# Allegro board visualscope011.brd (continued)
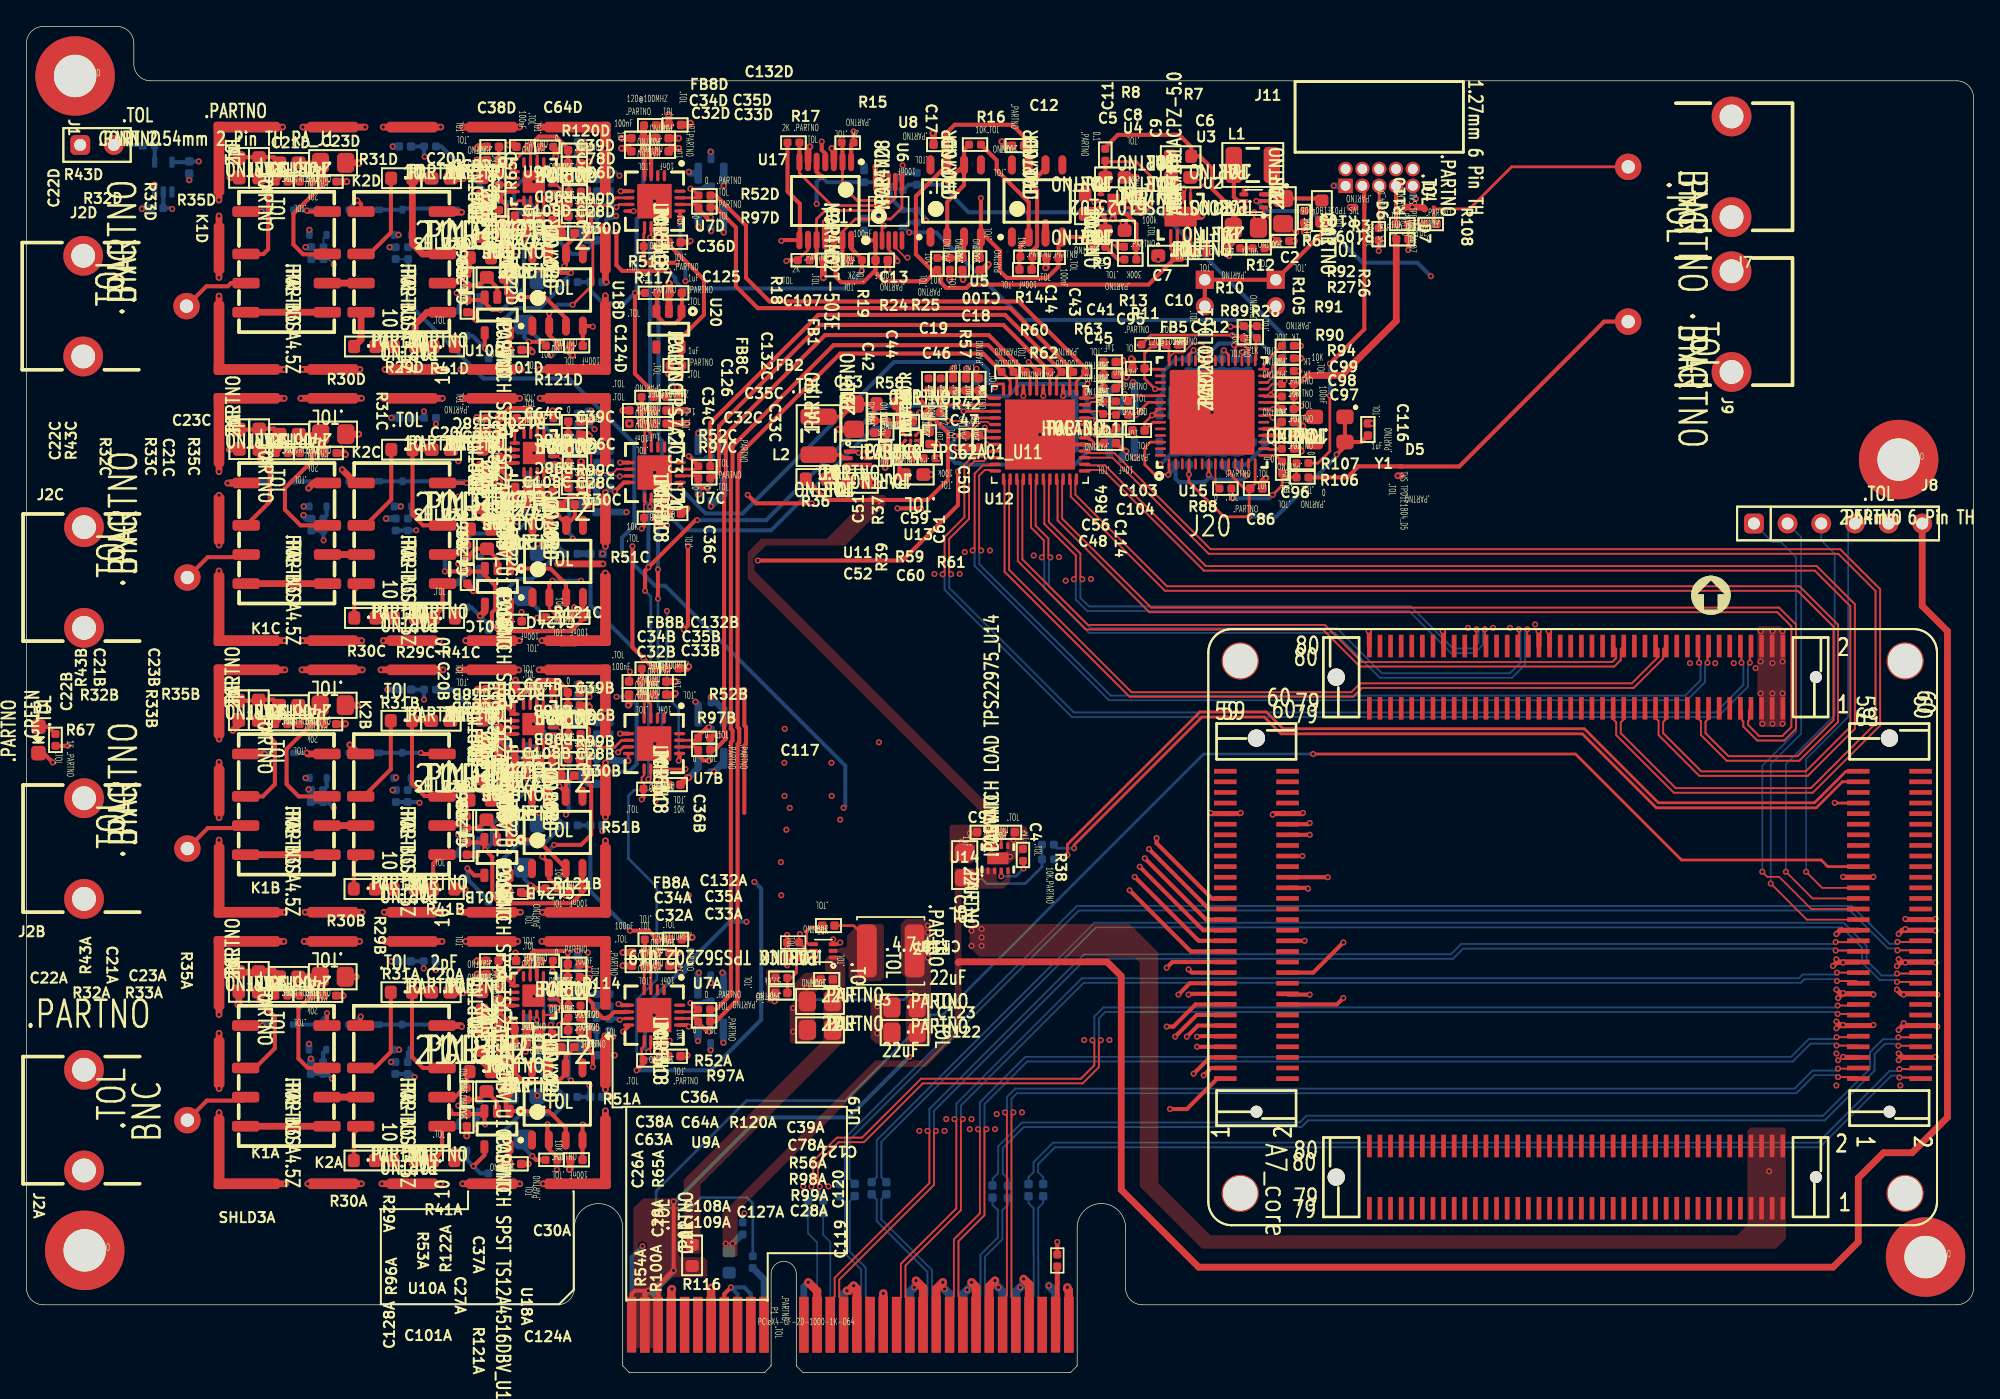
[diagram p0: board, top side]
## Routing (per net, layer and track width the routed paths; a pad name or vN(x,y) marks a point on that pad's centre or on a via; arc(x,y) is an arc through that point) (continued)
VDDH: length 51.4
  TOP w0.127: v1(89.36,77.04) 88.72,77.67 88,77.67 87.32,76.99 86.61,76.99 86.23,76.61 ; v1(94.18,70.18) 94.06,70.18 94.01,70.23 U15.17 ; v1(92.1,67.71) 91.82,67.71 91.23,68.3 U15.11
  TOP w0.203: v1(89.23,67.77) 89.23,67.77 U15.7 ; U15.32 91.23,77.45 v1(91.13,77.55) 91.91,77.55 92.23,77.23 92.23,77.22 92.23,77.21 U15.30 ; v1(89.36,77.04) 89.23,76.92 U15.36 ; U15.1 86.23,67.82 v1(86.18,67.77) 85.17,67.77 84.4,68.53 84.4,69.8 84.83,70.23 U15.54 ; C95.1 84.39,76.93 FB5.2 C112.1 86.23,77.36 U15.42 ; C95.1 84.39,75.02 v1(85.18,74.23) ; C95.1 84.46,75.73 U15.43
  PWR4 w0.305: v1(94.18,70.18) 90.13,74.23 v1(85.18,74.23)
  BOTTOM w0.305: v1(89.23,67.77) 89.23,68.51 C113.1 ; v1(89.23,67.77) 89.61,67.39 91.77,67.39 v1(92.1,67.71) 92.1,67.74 C93.1 92.02,68.53 93.46,69.97 C94.1 94.12,70.24 v1(94.18,70.18) ; v1(89.23,67.77) 89.23,67.51 88.92,67.21 87,67.21 86.73,67.47 86.73,68.31 ; v1(89.36,77.04) 89.99,77.67 91.01,77.67 v1(91.13,77.55) 91.16,77.57 91.23,77.5 C88.1 ; 86.73,68.31 C90.1 ; 86.73,68.31 v1(86.18,67.77)
+VBIAS: length 108.4
  TOP w0.305: U8.6 69.54,89.94 v1(69.54,89.86) ; U8.6 70.76,89.63 69.49,88.36 U8.2 ; U8.6 70.76,92.31 R16.1
  PWR3 w0.305: v1(44.76,90.34) 43.6,90.34 42.47,89.2 42.47,81.76 43.51,80.72 43.51,71.83 v1(42.87,71.2) 42.24,71.2 41.99,70.94 41.99,70.43 42.37,70.05 42.37,66.52 42.42,66.47 42.42,51.08 v1(42.49,51) 41.86,50.37 41.86,46.56 42.37,46.05 v1(42.37,31.7)
  PWR4 w0.305: v1(69.54,89.86) 69.29,89.61 53.42,89.61 52.69,90.34 51.22,90.34 50.88,89.99 45.1,89.99 v1(44.76,90.34)
  BOTTOM w0.127: FB6B.1 C130B.1 42.47,50.97 v1(42.49,51)
  BOTTOM w0.203: v1(44.76,90.34) 44.47,90.63 42.24,90.63 41.89,90.98 FB6D.1 ; C130A.1 42.37,31.23 v1(42.37,31.7)
  BOTTOM w0.305: FB6C.1 C130C.1 42.62,71.45 v1(42.87,71.2) ; FB6A.1 C130A.1 ; FB6D.1 C130D.1
+VFFE_FRONT END_CH1: length 39.4
  TOP w0.203: U9A.12 40.22,29.2 C78A.2 ; U9A.15 38.01,30.94 C64A.2 36.81,30.02 U9A.1
  TOP w0.305: U9A.1 35.94,30.07 C63A.1 C38A.1 ; v1(35.64,16.08) 35.97,15.75 C101A.2 36.46,15.79 U10A.5 ; v1(38.71,24.56) C37A.2 39.42,24.54 U18A.7 ; C64A.2 37.87,31.4 38.3,31.83 40.71,31.83 v1(40.85,31.69) C39A.1 C78A.2
  BOTTOM w0.203: v1(40.85,31.69) 40.85,30.58 39.06,28.79 39.06,25.77 38.71,25.42 v1(38.71,24.56)
  BOTTOM w0.305: R125A.2 35.76,15.96 v1(35.64,16.08) 35.64,17.83 37.29,19.48 39.83,19.48 40.67,20.33 FB9A.2 38.71,22.77 v1(38.71,24.56)
+VFFE_FRONT END_CH2: length 34.8
  TOP w0.203: v1(39.83,50.24) 39.71,50.13 U9B.12 40.22,49.7 C78B.2 ; U9B.15 38.01,51.43 C64B.2 36.81,50.52 U9B.1
  TOP w0.305: v1(35.66,36.25) C101B.2 36.42,37.49 U10B.5 ; C78B.2 C39B.1 40.85,51.5 40.08,52.27 38.56,52.27 37.87,51.59 C64B.2 ; v1(39.7,42.49) 39.42,42.77 U18B.7 39.44,43.51 C37B.2 39.09,45.06 39.06,45.03 v1(38.68,45.03) ; C38B.1 C63B.1 35.94,50.57 U9B.1
  PWR3 w0.305: v1(39.83,50.24) 39.19,49.61 39.19,45.54 v1(38.68,45.03)
  BOTTOM w0.305: 40.61,41.3 39.7,42.21 v1(39.7,42.49) ; 40.61,41.3 FB9B.2 ; 40.61,41.3 40.44,41.3 39.06,39.93 37.13,39.93 35.64,38.43 35.64,36.27 v1(35.66,36.25) 35.77,36.14 R125B.2
+VFFE_FRONT END_CH3: length 35.5
  TOP w0.127: C37C.2 39.48,65.59 39.88,65.99 40.03,65.99 40.23,66.18 40.23,67.11 v1(39.83,67.51)
  TOP w0.152: U9C.12 40.26,70.16 C78C.2
  TOP w0.203: U9C.12 39.75,70.61 v1(39.83,70.69) ; U9C.15 38.05,71.89 C64C.2 36.85,70.97 U9C.1
  TOP w0.305: C64C.2 37.91,72.71 v1(38,72.8) 36.44,72.8 C38C.1 C63C.1 ; C78C.2 C39C.1 ; v1(39.83,62.69) 39.46,63.05 U18C.7 39.48,63.97 C37C.2
  TOP w0.508: U10C.5 36.5,56.74 C101C.2 35.78,56.71 v1(35.76,56.72)
  BOTTOM w0.203: v1(39.83,67.51) 39.83,67.58 40.84,68.6 40.84,69.75 39.9,70.69 v1(39.83,70.69)
  BOTTOM w0.305: v1(39.83,62.69) 39.83,62.66 FB9C.2 40.08,61.8 38.18,59.89 37.03,59.89 35.76,58.62 v1(35.76,56.72) 35.78,56.7 R125C.2 ; v1(38,72.8) 38,72.51 v1(39.83,70.69)
+VFFE_FRONT END_CH4: length 33.4
  TOP w0.203: v1(39.95,91.13) 39.95,90.85 U9D.12 ; U9D.15 38.04,92.38 C64D.2 36.84,91.46 U9D.1 35.96,91.52 C63D.1
  TOP w0.305: v1(39.95,91.13) 40.74,91.13 C78D.2 C39D.1 40.88,92.37 39.95,93.29 38.67,93.29 C64D.2 ; v1(41.1,83.01) 40.36,83.01 39.45,83.92 U18D.7 39.45,85.98 C37D.2 v1(38.73,86) ; v1(36.02,79.45) 36.48,78.98 U10D.5 36.48,77.23 C101D.2 v1(35.79,77.19) ; C38D.1 C63D.1
  PWR3 w0.305: v1(38.73,86) 39.06,86.33 39.06,90.25 v1(39.95,91.13)
  BOTTOM w0.203: v1(41.1,83.01) 40.7,82.61 FB9D.2
  BOTTOM w0.305: R125D.2 35.79,76.55 v1(35.79,77.19) ; FB9D.2 38.73,80.34 36.91,80.34 v1(36.02,79.45)
+VPGA_FRONT END_CH1: length 7.8
  TOP w0.203: U7A.4 46.62,28.9 C32A.2 47.12,30.21 U7A.3
  TOP w0.305: C34A.2 46.67,31.74 FB8A.1 ; C34A.2 C35A.2 ; C34A.2 C32A.2 C33A.2
+VPGA_FRONT END_CH2: length 7.5
  TOP w0.203: 46.62,50.94 47.12,50.44 U7B.3 ; 46.62,50.94 U7B.4 ; 46.62,50.94 C32B.2
  TOP w0.305: C34B.2 C35B.2 ; C34B.2 C32B.2 C33B.2 ; C34B.2 46.44,52.2 FB8B.1
+VPGA_FRONT END_CH3: length 7.9
  TOP w0.203: U7C.4 46.66,71.39 C32C.2 46.42,71.59 47.16,70.85 U7C.3
  TOP w0.305: C34C.2 C32C.2 C33C.2 ; C34C.2 FB8C.1 ; C34C.2 C35C.2
+VPGA_FRONT END_CH4: length 7.8
  TOP w0.305: 46.65,92.1 U7D.4 ; 46.65,92.1 47.15,91.6 U7D.3 ; 46.65,92.1 C32D.2
  TOP w0.508: FB8D.1 46.57,94.1 C34D.2 ; C34D.2 C32D.2 C33D.2 ; C34D.2 C35D.2
+VUSB: length 13.2
  TOP w0.305: R3.2 97.76,85.95 J13.1 J12.1 J12.2
-VBIAS: length 129.9
  TOP w0.305: U5.6 76.91,90.88 v1(75.77,89.74) 76.28,89.23 76.28,85.04 75.91,84.68 R14.2 75.91,83.3 C100.1
  PWR3 w0.305: v1(40.21,87.58) 39.95,87.32 39.95,83.39 40.59,82.75 40.59,76.66 40.97,76.28 40.97,67.16 40.54,66.73 40.31,66.73 39.95,66.37 39.95,66.14 39.41,65.6 39.41,64.17 40.18,63.4 40.77,63.4 v1(41.22,62.94) 41.35,62.81 41.35,61.39 40.7,60.74 40.7,56.09 41.1,55.7 41.1,42.49 v1(40.72,42.11) 40.72,38.43 40.21,37.92 40.21,30.94 41.22,29.92 41.22,22.17 v1(41.1,22.05)
  PWR4 w0.305: v1(40.21,87.58) 41.1,88.47 46.05,88.47 46.81,87.71 73.74,87.71 v1(75.77,89.74)
  BOTTOM w0.305: FB4B.2 40.93,46.09 40.97,46.05 40.97,45.29 40.93,45.25 C129B.1 40.93,42.33 v1(40.72,42.11) ; FB4C.2 40.97,66.53 41.17,66.32 41.17,65.66 C129C.1 40.97,63.32 41.22,63.07 v1(41.22,62.94) ; v1(41.1,22.05) 40.92,22.23 C129A.1 40.92,25.89 FB4A.2 ; v1(40.21,87.58) 40.39,87.4 FB4D.2 40.94,87.1 40.97,87.07 40.97,86.01 C129D.1
-VFFE_FRONT END_CH1: length 44.4
  TOP w0.127: 39.95,28.2 40.26,28.2 v1(40.33,28.27)
  TOP w0.152: U9A.8 39.75,27 40.32,27.56 40.32,27.83 39.95,28.2 U9A.10
  TOP w0.203: U9A.5 37.51,26.13 C108A.2 38.01,26.14 U9A.6 ; U9A.8 39.01,25.81 C127A.2
  TOP w0.305: C124A.1 U18A.4 41.96,18.7 v1(41.99,18.72) ; v1(34.62,18.72) 34.56,18.78 U10A.3 34.34,19.51 C128A.2 32.2,19.51 v1(31.95,19.76) ; v1(37.67,24.21) 37.76,24.3 C109A.1 C108A.2 38.43,25.88 C127A.2
  PWR3 w0.305: v1(37.67,24.21) 37.67,21.77 v1(34.62,18.72)
  PWR4 w0.305: v1(40.33,28.27) 39.32,29.29 31.96,29.29 v1(30.88,30.37) ; v1(41.99,18.72) 41.25,17.98 35.36,17.98 v1(34.62,18.72)
  BOTTOM w0.305: R55A.2 37.72,24.88 C102A.2 37.73,24.27 v1(37.67,24.21) ; C110A.1 v1(40.33,28.27) ; v1(30.88,30.37) FB10A.2
-VFFE_FRONT END_CH2: length 43.6
  TOP w0.127: U10B.3 34.62,40.16 v1(34.62,39.45) ; v1(40.31,48.7) 39.95,48.7
  TOP w0.152: U9B.8 39.75,47.5 40.32,48.06 40.32,48.69 v1(40.31,48.7) ; 39.95,48.7 U9B.10
  TOP w0.203: U9B.5 37.51,46.63 C108B.2 38.01,46.64 U9B.6 ; U9B.8 39.01,46.31 C127B.2
  TOP w0.305: C127B.2 38.43,46.38 C108B.2 C109B.1 v1(37.76,44.82) ; C128B.2 34.34,40.01 U10B.3 34.56,39.51 v1(34.62,39.45) 35.15,38.91 35.15,35.99 35.72,35.42 41.14,35.42 41.96,36.25 C124B.1 U18B.4
  BOTTOM w0.305: C110B.1 39.81,48.7 v1(40.31,48.7) ; FB10B.2 32.17,51.55 36.4,47.32 36.4,46.63 36.65,46.37 R55B.2 37.75,46.37 C102B.2 37.76,45.35 v1(37.76,44.82) 37.76,43.98 35.13,41.35 35.13,39.95 v1(34.62,39.45)
-VFFE_FRONT END_CH3: length 50
  TOP w0.203: C108C.2 37.55,67.08 U9C.5 ; C108C.2 38.05,67.1 U9C.6 ; C108C.2 38.01,66.62 38.68,66.62 C127C.2 39.05,66.77 U9C.8 39.12,68.02 40.21,68.02 40.42,68.24 40.42,69.08 v1(40.33,69.16) ; C109C.1 37.8,65.61 37.76,65.57 v1(37.76,65.28)
  TOP w0.254: v1(40.33,69.16) 40.33,69.16 U9C.10
  TOP w0.305: C108C.2 C109C.1 ; v1(31.57,60.47) C128C.2 34.38,60.47 U10C.3 34.6,60.17 35.38,59.38 35.38,57.61 35.13,57.35 35.13,56.46 35.64,55.96 41.09,55.96 42,56.87 C124C.1 U18C.4
  PWR3 w0.305: v1(31.57,60.47) 30.9,61.13 v1(30.9,71.61)
  BOTTOM w0.127: v1(40.33,69.16) 39.95,69.16 39.84,69.28 C110C.1
  BOTTOM w0.203: FB10C.2 v1(30.9,71.61)
  BOTTOM w0.305: v1(31.57,60.47) 31.57,61.26 33.63,63.32 36.86,63.32 37.72,64.18 37.72,65.24 v1(37.76,65.28) C102C.2 37.74,65.88 R55C.2
-VFFE_FRONT END_CH4: length 44
  TOP w0.203: 37.79,87.96 37.54,88.21 U9D.5 37.13,88.44 v1(36.78,88.09) ; 37.79,87.96 37.79,87.33 C108D.2 ; 37.79,87.96 38.04,88.21 U9D.6 ; C127D.2 39.04,87.25 U9D.8 39.19,88.59 39.97,88.59 40.37,88.99 40.37,89.29 40.02,89.64 U9D.10
  TOP w0.305: C127D.2 38.45,87.32 C108D.2 C109D.1 37.79,85.92 37.54,85.67 v1(37.54,85.55) ; v1(42.75,78.94) 42.7,78.99 U18D.4 C124D.1 ; C128D.2 34.37,80.95 U10D.3 34.58,80.76 35.13,80.21 v1(35.76,80.21)
  PWR4 w0.305: v1(35.76,80.21) 37.77,80.21 39.04,78.94 v1(42.75,78.94)
  BOTTOM w0.305: v1(36.78,88.09) 36.52,88.34 35.51,88.34 31.31,92.54 FB10D.2 ; v1(36.78,88.09) 37.5,87.37 R55D.2 ; v1(36.78,88.09) 36.78,89.36 37.92,90.5 39.02,90.5 C110D.1 ; C102D.2 37.76,85.89 37.54,85.67 v1(37.54,85.55) 37.54,81.86 35.89,80.21 v1(35.76,80.21)
AC0: length 1.6
  TOP w0.203: R94.2 94.25,73.23 U15.23
AC1: length 1.4
  TOP w0.203: U15.22 94.07,72.73 v1(94.08,72.72)
  BOTTOM w0.305: R93.2 94.12,72.68 v1(94.08,72.72)
AC2: length 2.3
  TOP w0.203: R92.2 93.38,76.13 U15.28
ACQ_EN: length 27.7
  TOP w0.203: v1(75.26,38.05) 75.26,38.56 R38.2 ; U14.3 v1(73.57,37.46) ; J20.J1_44 v1(96.3,38.98)
  PWR3 w0.203: v1(75.26,38.05) 77.93,35.38 84.15,35.38 87.75,38.98 v1(96.3,38.98)
  BOTTOM w0.203: v1(75.26,38.05) 74.67,37.46 v1(73.57,37.46)
ADC_CLK_C_N: length 2.5
  TOP w0.152: C104.1 82.16,72.36 R64.1 81.06,72.55 U12.34
ADC_CLK_C_P: length 2.5
  TOP w0.152: U12.35 80.16,73.05 80.36,73.26 R64.2 81.3,73.3 C103.1
ADC_CLK_N: length 4.7
  TOP w0.203: 83.72,72.29 84.66,73.23 U15.48 ; 83.72,72.29 C104.2 ; 83.72,72.29 v1(83.77,72.29)
  BOTTOM w0.305: J5.1 82.68,71.2 v1(83.77,72.29)
ADC_CLK_P: length 4.7
  TOP w0.203: v1(82.88,73.86) 83.13,73.62 C103.2 83.55,73.73 U15.47
  BOTTOM w0.305: v1(82.88,73.86) 82.68,73.66 J6.1
ADC_PD: length 1.7
  TOP w0.203: v1(72.34,71.32) 72.61,71.05 U12.6
  BOTTOM w0.305: v1(72.34,71.32) 71.91,70.89 R46.1
ADC_RSTN: length 4.9
  TOP w0.127: U12.5 73.09,71.58 72.72,71.58 72.54,71.76 72.01,71.76 71.58,71.32 71.07,71.32 70.56,71.83 v1(69.54,71.83)
  BOTTOM w0.305: v1(69.54,71.83) 69.13,72.25 R44.1
ATTEN_1: length 72
  TOP w0.305: v1(86.31,19.89) 87.58,19.89 89.88,22.18 J20.J1_1
  PWR4 w0.305: v1(86.31,19.89) 85.8,20.4 67,20.4 65.86,19.25 25.98,19.25 v1(23.06,22.17)
  BOTTOM w0.305: v1(23.06,22.17) 22.7,22.54 R47A.2 R49A.2
ATTEN_2: length 77.2
  TOP w0.305: J20.J1_11 88.41,26.18 v1(87.58,25.35)
  PWR4 w0.305: v1(87.58,25.35) 86.94,24.71 84.66,24.71 75.01,34.37 56.46,34.37 53.42,37.41 28.4,37.41 v1(23.19,42.62)
  BOTTOM w0.305: R49B.2 R47B.2 22.75,43.06 v1(23.19,42.62)
ATTEN_3: length 85.6
  TOP w0.305: J20.J1_19 87.8,29.38 v1(86.94,28.52)
  PWR4 w0.305: v1(22.43,62.81) 22.43,61.29 33.53,50.19 33.53,49.35 36.9,45.98 39,45.98 40.07,44.91 41.73,44.91 46.68,39.95 58.5,39.95 62.05,36.4 76.53,36.4 84.4,28.52 v1(86.94,28.52)
  BOTTOM w0.305: v1(22.43,62.81) 22.4,62.84 R47C.2 R49C.2
ATTEN_4: length 96
  TOP w0.305: J20.J1_33 89.25,34.98 v1(84.72,39.51)
  PWR3 w0.305: v1(32.59,66.12) v1(32.59,68.78)
  PWR4 w0.305: v1(23.19,83.64) 23.19,82.5 32.59,73.1 v1(32.59,68.78) ; v1(32.59,66.12) 39.76,58.94 42.89,58.94 49.59,52.24 49.59,49.03 53.42,45.21 79.02,45.21 v1(84.72,39.51)
  BOTTOM w0.127: R49D.2 R47D.2 22.79,84.04 v1(23.19,83.64)
ATTEN_OUT_FRONT END_CH1: length 3.5
  TOP w0.305: R53A.1 33.24,22.5 R96A.2 33.05,21.49 32.35,20.79 K2A.6
ATTEN_OUT_FRONT END_CH2: length 3.5
  TOP w0.305: R53B.1 33.24,43 R96B.2 33.23,41.99 32.52,41.29 K2B.6
ATTEN_OUT_FRONT END_CH3: length 3.5
  TOP w0.305: R53C.1 33.27,63.46 R96C.2 33.27,62.45 32.69,61.88 32.69,61.87 32.57,61.75 K2C.6
ATTEN_OUT_FRONT END_CH4: length 3.5
  TOP w0.305: K2D.6 32.55,82.23 32.93,82.62 32.94,82.62 R96D.2 33.46,83.14 R53D.1
CH1_N: length 69.2
  TOP w0.203: U12.47 74.24,74.88 R57.2
  TOP w0.305: R97A.2 52.03,26.5 53.67,28.14 53.67,47.45 53.8,47.57 53.8,48.59 53.67,48.72 53.67,67.51 53.8,67.64 53.8,69.29 61.42,76.91 72.21,76.91 R57.2
CH1_P: length 70.3
  TOP w0.203: U12.46 74.74,75.28 R57.1
  TOP w0.305: R52A.2 52.04,27.41 53.16,28.52 53.16,47.57 53.29,47.7 53.29,48.46 53.16,48.59 53.16,67.64 53.29,67.77 53.29,69.93 60.91,77.55 72.59,77.55 74.49,75.65 R57.1
CH2_N: length 53
  TOP w0.203: R60.2 75.41,75.47 75.74,75.13 U12.44
  TOP w0.305: R97B.2 51.96,47 52.78,47.83 52.78,48.34 52.65,48.46 52.65,67.77 52.78,67.89 52.78,70.81 60.27,78.31 72.63,78.31 R60.2
CH2_P: length 48
  TOP w0.203: R60.1 76.24,75.46 U12.43
  TOP w0.305: v1(70.31,68.02) 70.31,65.48 66.12,61.29 v1(55.19,61.29) ; v1(75.64,76.28) 76.31,75.61 R60.1 ; R52B.2 51.77,48.08 v1(52.27,48.08)
  PWR3 w0.203: v1(75.64,76.28) 75.64,76.15 73.35,73.86 72.72,73.86 70.69,71.83 70.69,70.26 70.92,70.03 70.92,69.62 70.81,69.52 70.81,68.99 70.31,68.48 v1(70.31,68.02)
  PWR4 w0.305: v1(55.19,61.29) 52.27,58.37 v1(52.27,48.08)
CH3_N: length 35.3
  TOP w0.203: U12.41 77.24,75.51 R62.2
  TOP w0.305: R97C.2 51.75,67.5 52.27,68.02 52.27,71.45 59.89,79.07 73.74,79.07 77.22,75.58 R62.2
CH3_P: length 36.5
  TOP w0.203: R62.1 77.74,75.15 U12.40
  TOP w0.305: R62.1 78.12,75.57 73.86,79.83 59.77,79.83 51.61,71.67 R52C.2
CH4_N: length 36.6
  TOP w0.203: R63.2 78.74,75.27 U12.38
  TOP w0.305: R97D.2 52.03,87.95 53.54,86.44 53.54,81.99 55.19,80.34 74.24,80.34 79,75.58 R63.2
CH4_P: length 37.9
  TOP w0.203: U12.37 79.24,74.8 79.9,75.46 R63.1
  TOP w0.305: R63.1 79.9,75.83 74.88,80.85 56.08,80.85 54.3,82.63 54.3,86.56 52.02,88.85 R52D.2
D1A_N: length 79.9
  TOP w0.142: U12.10 73.07,69.1 72.56,69.1 72.25,68.79 71.54,68.79 71.13,68.39 71.13,64.42 69.64,62.92 69.64,60.4 v1(69.78,60.25) ; v1(129.44,53.58) 129.44,53.98 129.35,54.06 J20.J4_10
  BOTTOM w0.142: v1(69.78,60.25) 69.64,60.11 69.64,59.23 79.04,49.82 127.5,49.82 129.58,51.91 129.58,53.43 v1(129.44,53.58)
D1A_P: length 81.7
  TOP w0.142: U12.9 73.03,69.47 72.44,69.47 72.11,69.14 71.4,69.14 70.79,68.53 70.79,64.57 69.29,63.07 69.29,60.4 v1(69.15,60.25) ; v1(130.07,53.58) 130.07,54 130.15,54.08 J20.J4_8
  BOTTOM w0.142: v1(130.07,53.58) 129.93,53.43 129.93,51.76 127.64,49.48 78.9,49.48 69.29,59.09 69.29,60.11 v1(69.15,60.25)
D1B_N: length 69.9
  TOP w0.142: U12.12 73.04,68.13 72.33,68.13 71.9,67.7 71.9,62.2 v1(72.05,62.05) ; J20.J4_18 126.15,54.08 126.24,54 v1(126.24,53.58)
  BOTTOM w0.142: v1(126.24,53.58) 126.35,53.46 126.35,52.26 125.18,51.09 81.84,51.09 71.9,61.03 71.9,61.91 v1(72.05,62.05)
D1B_P: length 71.7
  TOP w0.142: J20.J4_16 126.95,54.06 126.87,53.97 v1(126.87,53.58) ; U12.11 73.04,68.47 72.19,68.47 71.56,67.85 71.56,62.2 v1(71.41,62.05)
  BOTTOM w0.142: v1(126.87,53.58) 126.69,53.4 126.69,52.12 125.32,50.75 81.7,50.75 71.56,60.89 71.56,61.91 v1(71.41,62.05)
D2A_N: length 61.7
  TOP w0.142: J20.J4_26 123.18,54.61 123.18,54.04 121.16,52.02 100.66,52.02 99.99,51.35 83.4,51.35 74.16,60.59 74.16,67.35 U12.14
D2A_P: length 62.9
  TOP w0.142: J20.J4_24 123.53,54.61 123.53,53.89 121.31,51.67 100.8,51.67 100.13,51 83.26,51 73.82,60.44 73.82,67.35 U12.13
D2B_N: length 55.2
  TOP w0.142: U12.16 75.16,67.35 75.16,61.39 80.12,56.43 97.99,56.43 100.79,53.63 119.69,53.63 119.98,53.92 119.98,54.61 J20.J4_34
D2B_P: length 56.4
  TOP w0.142: J20.J4_32 120.33,54.61 120.33,53.78 119.83,53.29 100.64,53.29 97.85,56.08 79.98,56.08 74.82,61.24 74.82,67.35 U12.15
D3A_N: length 75.8
  TOP w0.142: U12.22 78.16,67.35 78.16,64.46 84.89,57.73 132.28,57.73 133.55,56.46 133.55,48.59 132.66,47.7 130.63,47.7 129.58,48.75 129.58,49.13 129.49,49.22 129.49,50 J20.J4_9
D3A_P: length 74.7
  TOP w0.142: J20.J4_7 130,49.98 130,49.22 129.93,49.15 129.93,48.89 130.77,48.05 132.52,48.05 133.21,48.73 133.21,56.32 132.14,57.39 84.75,57.39 77.82,64.32 77.82,67.35 U12.21
D3B_N: length 84.7
  TOP w0.142: J20.J4_17 126.15,49.38 126.38,49.16 126.38,48.11 128.32,46.18 133.81,46.18 136.73,49.1 136.73,56.44 133.82,59.35 86.07,59.35 79.16,66.26 79.16,67.35 U12.24
D3B_P: length 83.5
  TOP w0.142: J20.J4_15 126.95,49.36 126.73,49.13 126.73,48.26 128.46,46.52 133.66,46.52 136.38,49.24 136.38,56.3 133.68,59 85.93,59 78.82,66.11 78.82,67.35 U12.23
D4A_N: length 91.6
  TOP w0.142: U12.26 79.94,68.47 81.4,68.47 89.01,60.87 135.11,60.87 138,57.99 138,48.59 134.44,45.03 126.26,45.03 123.18,48.11 123.18,49.18 122.95,49.41 J20.J4_25
D4A_P: length 89.9
  TOP w0.142: J20.J4_23 123.75,49.33 123.53,49.1 123.53,48.26 126.4,45.38 134.3,45.38 137.65,48.73 137.65,57.84 134.97,60.53 88.86,60.53 81.26,68.13 79.94,68.13 U12.25
D4B_N: length 100.6
  TOP w0.142: U12.28 80.02,69.4 82.12,69.4 89.37,62.14 136.89,62.14 139.9,59.13 139.9,48.84 134.82,43.76 124.33,43.76 119.98,48.11 119.98,49.08 119.75,49.31 J20.J4_33
D4B_P: length 98.8
  TOP w0.142: J20.J4_31 120.55,49.31 120.33,49.08 120.33,48.26 124.47,44.11 134.68,44.11 139.56,48.99 139.56,58.99 136.75,61.8 89.23,61.8 81.98,69.05 U12.27
DC_CPL_1: length 61.2
  TOP w0.305: v1(88.85,22.43) 89.41,22.98 J20.J1_3
  PWR4 w0.305: v1(32.59,20.14) 32.72,20.27 44.01,20.27 44.47,19.81 65.02,19.81 66.12,20.9 87.32,20.9 v1(88.85,22.43)
  BOTTOM w0.305: R127A.2 R126A.2 33.03,20.58 v1(32.59,20.14)
DC_CPL_2: length 66.4
  TOP w0.305: v1(86.05,26.11) 86.56,26.11 88.24,27.78 J20.J1_15
  PWR4 w0.305: v1(86.05,26.11) 85.04,26.11 75.77,35.38 59.38,35.38 56.74,38.02 37.19,38.02 34.62,40.59 v1(32.59,40.59)
  BOTTOM w0.305: v1(32.59,40.59) 33.06,41.06 R126B.2 R127B.2
DC_CPL_3: length 75.7
  TOP w0.305: v1(86.05,30.56) 86.48,30.98 J20.J1_23
  PWR4 w0.305: v1(32.59,61.04) 32.59,60.91 33.12,60.38 33.12,56.34 35.64,53.82 35.64,52.6 38.94,49.3 41.3,49.3 46.38,44.22 47.12,44.22 49.72,41.62 59.75,41.62 61.8,39.57 77.04,39.57 v1(86.05,30.56)
  BOTTOM w0.305: v1(32.59,61.04) 33.13,61.57 R126C.2 R127C.2
DC_CPL_4: length 80
  TOP w0.305: v1(85.29,40.33) 85.29,39.95 89.48,35.76 90.46,35.76 J20.J1_35
  PWR4 w0.305: v1(32.46,81.48) 41.86,81.48 44.4,78.94 48.08,78.94 78.82,48.21 78.82,48.08 85.29,41.6 v1(85.29,40.33)
  BOTTOM w0.305: v1(32.46,81.48) 33.06,82.09 R126D.2 R127D.2
DC_CPLN_FRONT END_CH1: length 4.5
  TOP w0.305: v1(33.73,15.57) 34.56,16.4 U10A.4
  BOTTOM w0.305: R125A.1 34.26,15.04 v1(33.73,15.57) 33.26,16.04 Q5A.1
DC_CPLN_FRONT END_CH2: length 4.7
  TOP w0.305: U10B.4 33.8,37.52 v1(33.27,38.05)
  BOTTOM w0.305: R125B.1 34.87,35.66 Q5B.1 v1(33.27,38.05)
DC_CPLN_FRONT END_CH3: length 3.6
  TOP w0.508: v1(34.24,57.1) 34.6,57.46 U10C.4
  BOTTOM w0.305: Q5C.1 33.59,57.75 v1(34.24,57.1) 34.88,56.46 R125C.1
DC_CPLN_FRONT END_CH4: length 3.8
  TOP w0.305: v1(34.62,77.29) 34.58,77.33 U10D.4
  BOTTOM w0.305: Q5D.1 33.66,78.25 v1(34.62,77.29) 34.88,77.03 R125D.1
EN1: length 69.6
  TOP w0.203: v1(78.56,39.06) 78.56,39.86 88.56,49.86 93.58,49.86 94.85,48.59 117.58,48.59 123.17,43 134.95,43 137.33,45.38 J20.J3_59
  BOTTOM w0.203: v1(78.56,39.06) 78.23,38.73 R102.1
FCLK_N: length 44.3
  TOP w0.142: U12.20 77.16,67.35 77.16,64.19 79.54,61.81 79.54,60.02 v1(79.69,59.88) ; J20.J4_60 109.35,55.51 109.44,55.59 v1(109.44,56.1)
  BOTTOM w0.142: v1(109.44,56.1) 109.59,55.95 109.59,55.08 109.16,54.65 107.66,54.65 104.49,57.83 80.19,57.83 79.54,58.47 79.54,59.73 v1(79.69,59.88)
FCLK_P: length 45.4
  TOP w0.142: U12.19 76.82,67.35 76.82,64.05 79.2,61.67 79.2,60.02 v1(79.05,59.88) ; v1(110.07,56.1) 110.07,55.56 110.15,55.48 J20.J4_58
  BOTTOM w0.142: v1(79.05,59.88) 79.2,59.73 79.2,58.33 80.05,57.48 104.34,57.48 107.52,54.3 109.3,54.3 109.93,54.93 109.93,55.96 v1(110.07,56.1)
FE_EN: length 140.2
  TOP w0.203: v1(58.37,33.1) 58.31,33.04 R115.1 58.95,31.83 U19.5
  TOP w0.305: J20.J1_9 88.38,25.38 v1(88.34,25.35) ; R6.1 v1(96.94,87.67) ; U2.2 v1(92.82,88.43)
  PWR3 w0.305: v1(105.99,82.75) 105.99,28.4 102.82,25.22 88.47,25.22 v1(88.34,25.35)
  PWR4 w0.203: v1(88.34,25.35) 86.05,23.06 57.48,23.06 55.32,25.22 55.32,32.59 56.46,33.73 57.86,33.73 58.37,33.22 v1(58.37,33.1)
  BOTTOM w0.305: v1(105.99,82.75) 104.98,83.77 100.85,83.77 v1(96.94,87.67) 93.58,87.67 v1(92.82,88.43)
IF0: length 2.1
  TOP w0.152: R27.2 94.71,76.56 94.01,75.86 94.01,75.6 93.64,75.23 U15.27
IF1: length 1.7
  TOP w0.152: U15.26 93.64,74.73 94.5,75.59 R26.2
INTREF: length 1.8
  TOP w0.305: C98.2 96.72,70.73 Y1.3
JTAGEN: length 59.3
  TOP w0.305: J20.J1_22 97.11,30.18 v1(99.39,32.46) ; R103.2 v1(102.06,84.66)
  PWR3 w0.305: v1(102.06,84.66) 102.06,35.13 v1(99.39,32.46)
LCLK_N: length 51.1
  TOP w0.142: v1(77.27,61.53) 77.13,61.67 77.13,62.96 76.16,63.92 76.16,67.35 U12.18 ; J20.J4_52 112.55,55.53 112.64,55.61 v1(112.64,56.1)
  BOTTOM w0.142: v1(112.64,56.1) 112.76,55.97 112.76,53.58 111.96,52.78 102.29,52.78 98.9,56.17 80.32,56.17 77.16,59.33 77.16,61.42 v1(77.27,61.53)
LCLK_P: length 52.3
  TOP w0.142: J20.J4_50 113.35,55.58 113.27,55.66 v1(113.27,56.1) ; U12.17 75.82,67.35 75.82,63.78 76.78,62.81 76.78,61.67 v1(76.64,61.53)
  BOTTOM w0.142: v1(76.64,61.53) 76.82,61.35 76.82,59.18 80.18,55.83 98.75,55.83 102.15,52.44 112.11,52.44 113.11,53.44 113.11,55.93 v1(113.27,56.1)
LED: length 115.4
  TOP w0.305: D1.1 1.28,46.75 v1(1.98,46.05) ; v1(99.39,28.27) 98.9,27.78 J20.J1_16
  PWR3 w0.203: v1(49.99,36.02) 56.21,36.02 56.72,36.52 60.15,36.52
  PWR3 w0.305: 60.15,36.52 70.94,36.52 79.84,27.62 98.74,27.62 v1(99.39,28.27)
  PWR4 w0.305: v1(49.99,36.02) 46.3,36.02 43.89,33.6 11.25,33.6 1.98,42.87 v1(1.98,46.05)
MGT_CLK1_N: length 88.6
  TOP w0.142: v1(81.08,25.08) 80.94,24.93 80.94,23.05 79.72,21.83 67.66,21.83 63.21,17.38 61.31,17.38 59.73,15.81 59.73,14.18 v1(59.88,14.03) ; v1(136.7,27.07) 138.17,27.07 J20.J3_13
  BOTTOM w0.142: C40.2 59.88,13.22 v1(59.88,14.03) ; v1(81.08,25.08) 80.94,25.22 80.94,26.73 81.42,27.21 136.56,27.21 v1(136.7,27.07)
MGT_CLK1_P: length 89.2
  TOP w0.142: v1(136.7,27.7) 138.17,27.7 J20.J3_15 ; v1(59.24,14.03) 59.38,14.18 59.38,15.95 61.16,17.73 63.07,17.73 67.51,22.17 79.58,22.17 80.59,23.19 80.59,24.93 v1(80.45,25.08)
  BOTTOM w0.142: v1(80.45,25.08) 80.59,25.22 80.59,26.87 81.28,27.56 136.56,27.56 v1(136.7,27.7) ; v1(59.24,14.03) 59.24,13.22 C79.2
MGT_TX0_N: length 71.1
  TOP w0.142: J20.J3_2 142.87,22.27 v1(141.36,22.27)
  BOTTOM w0.142: C62.2 76.73,14.74 76.35,15.12 76.35,15.73 77.63,17 135.35,17 140.76,22.41 141.21,22.41 v1(141.36,22.27)
MGT_TX0_P: length 71.7
  TOP w0.142: v1(141.36,22.9) 142.87,22.9 J20.J3_4
  BOTTOM w0.142: C15.2 75.63,14.74 76.01,15.12 76.01,15.87 77.48,17.35 135.2,17.35 140.61,22.76 141.21,22.76 v1(141.36,22.9)
MGT_TX1_N: length 76.4
  TOP w0.142: v1(141.28,24.67) 142.87,24.67 J20.J3_8
  BOTTOM w0.142: C66.2 74.08,14.62 73.68,15.03 73.68,15.64 73.68,16.93 75.28,18.53 96.23,18.53 96.74,19.03 135.73,19.03 139.49,22.79 139.49,24.04 140.26,24.81 141.14,24.81 v1(141.28,24.67)
MGT_TX1_P: length 76.9
  TOP w0.142: J20.J3_10 142.87,25.3 v1(141.28,25.3)
  BOTTOM w0.142: C67.2 72.92,14.63 73.33,15.04 73.34,15.64 73.34,17.08 75.13,18.87 96.09,18.87 96.6,19.38 135.58,19.38 139.14,22.94 139.14,24.18 140.12,25.16 141.14,25.16 v1(141.28,25.3)
MGT_TX2_N: length 90.7
  TOP w0.142: v1(141.18,29.48) 142.86,29.48 J20.J3_20
  BOTTOM w0.142: C70.2 64.52,14.75 64.52,17.4 80.72,33.6 137,33.6 138.54,32.06 138.54,30.96 139.87,29.63 141.03,29.63 v1(141.18,29.48)
MGT_TX2_P: length 91.3
  TOP w0.142: J20.J3_22 142.89,30.12 v1(141.18,30.12)
  BOTTOM w0.142: C71.2 64.17,14.75 64.17,17.54 80.58,33.95 137.14,33.95 138.89,32.21 138.89,31.1 140.01,29.97 141.03,29.97 v1(141.18,30.12)
MGT_TX3_N: length 92.8
  TOP w0.142: v1(141.21,31.87) 142.12,31.87 142.21,31.78 J20.J3_26
  BOTTOM w0.142: 62.1,17.54 62.11,17.55 ; 62.11,17.55 62.11,14.63 C74.2 ; 62.11,17.55 79.43,34.87 137.62,34.87 140.48,32.01 141.07,32.01 v1(141.21,31.87)
MGT_TX3_P: length 93.4
  TOP w0.142: v1(141.21,32.5) 142.15,32.5 142.24,32.58 J20.J3_28
  BOTTOM w0.142: 61.75,17.69 61.77,17.7 ; 61.77,17.7 61.77,14.62 C75.2 ; 61.77,17.7 79.29,35.22 137.76,35.22 140.62,32.36 141.07,32.36 v1(141.21,32.5)
N00003_ADC_PLL: length 1.4
  TOP w0.203: U15.16 93.75,69.73 93.8,69.67 94.31,69.67 94.37,69.73 C97.1
N00003_FRONT END_CH1: length 4.9
  TOP w0.305: U7A.6 45.16,27.22 45.14,27.2 44.35,27.2 43.89,26.75 43.51,26.75 42.75,27.51 42.75,27.83 R56A.2
N00003_FRONT END_CH2: length 5.2
  TOP w0.203: U7B.6 44.92,47.72 44.39,47.19 43.13,47.19 42.49,47.83 42.49,48.58 R56B.2
N00003_FRONT END_CH3: length 5
  TOP w0.152: R56C.2 42.16,69.72 42.62,69.27 42.62,68.4 43.13,67.89 44.27,67.89 44.56,68.18 U7C.6
N00003_FRONT END_CH4: length 5.3
  TOP w0.203: U7D.6 44.47,88.67 43.89,88.09 43,88.09 42.49,88.6 42.49,89.36 41.84,90.01 R56D.2
N00067_FRONT END_CH1: length 1
  BOTTOM w0.305: R47A.1 22.39,24.13 Q3A.2
N00067_FRONT END_CH2: length 1
  BOTTOM w0.305: Q3B.2 22.66,44.23 R47B.1
N00067_FRONT END_CH3: length 1
  BOTTOM w0.305: R47C.1 22.65,64.69 Q3C.2
N00067_FRONT END_CH4: length 1
  BOTTOM w0.127: R47D.1 22.42,85.64 Q3D.2
N00069_FRONT END_CH1: length 3.9
  TOP w0.305: K1A.8 v1(22.68,27.13)
  BOTTOM w0.305: D2A.2 Q3A.1 22.68,26.97 v1(22.68,27.13)
N00069_FRONT END_CH2: length 3.4
  TOP w0.508: v1(21.16,46.77) 21.25,46.69 K1B.8
  BOTTOM w0.305: Q3B.1 v1(21.16,46.77) D2B.2